# Altium PCB EDR.PcbDoc (part 2 of 2)
Units mm, origin at the board's own origin, x right, y up, seen from the top; angles counter-clockwise.
Board outline 98.58 x 73.91 mm, 2 copper layers (Top Layer, Bottom Layer); 162 components, 102 nets, 583 pads, 56 vias.
Unrouted connection lines stored in the file: 215.
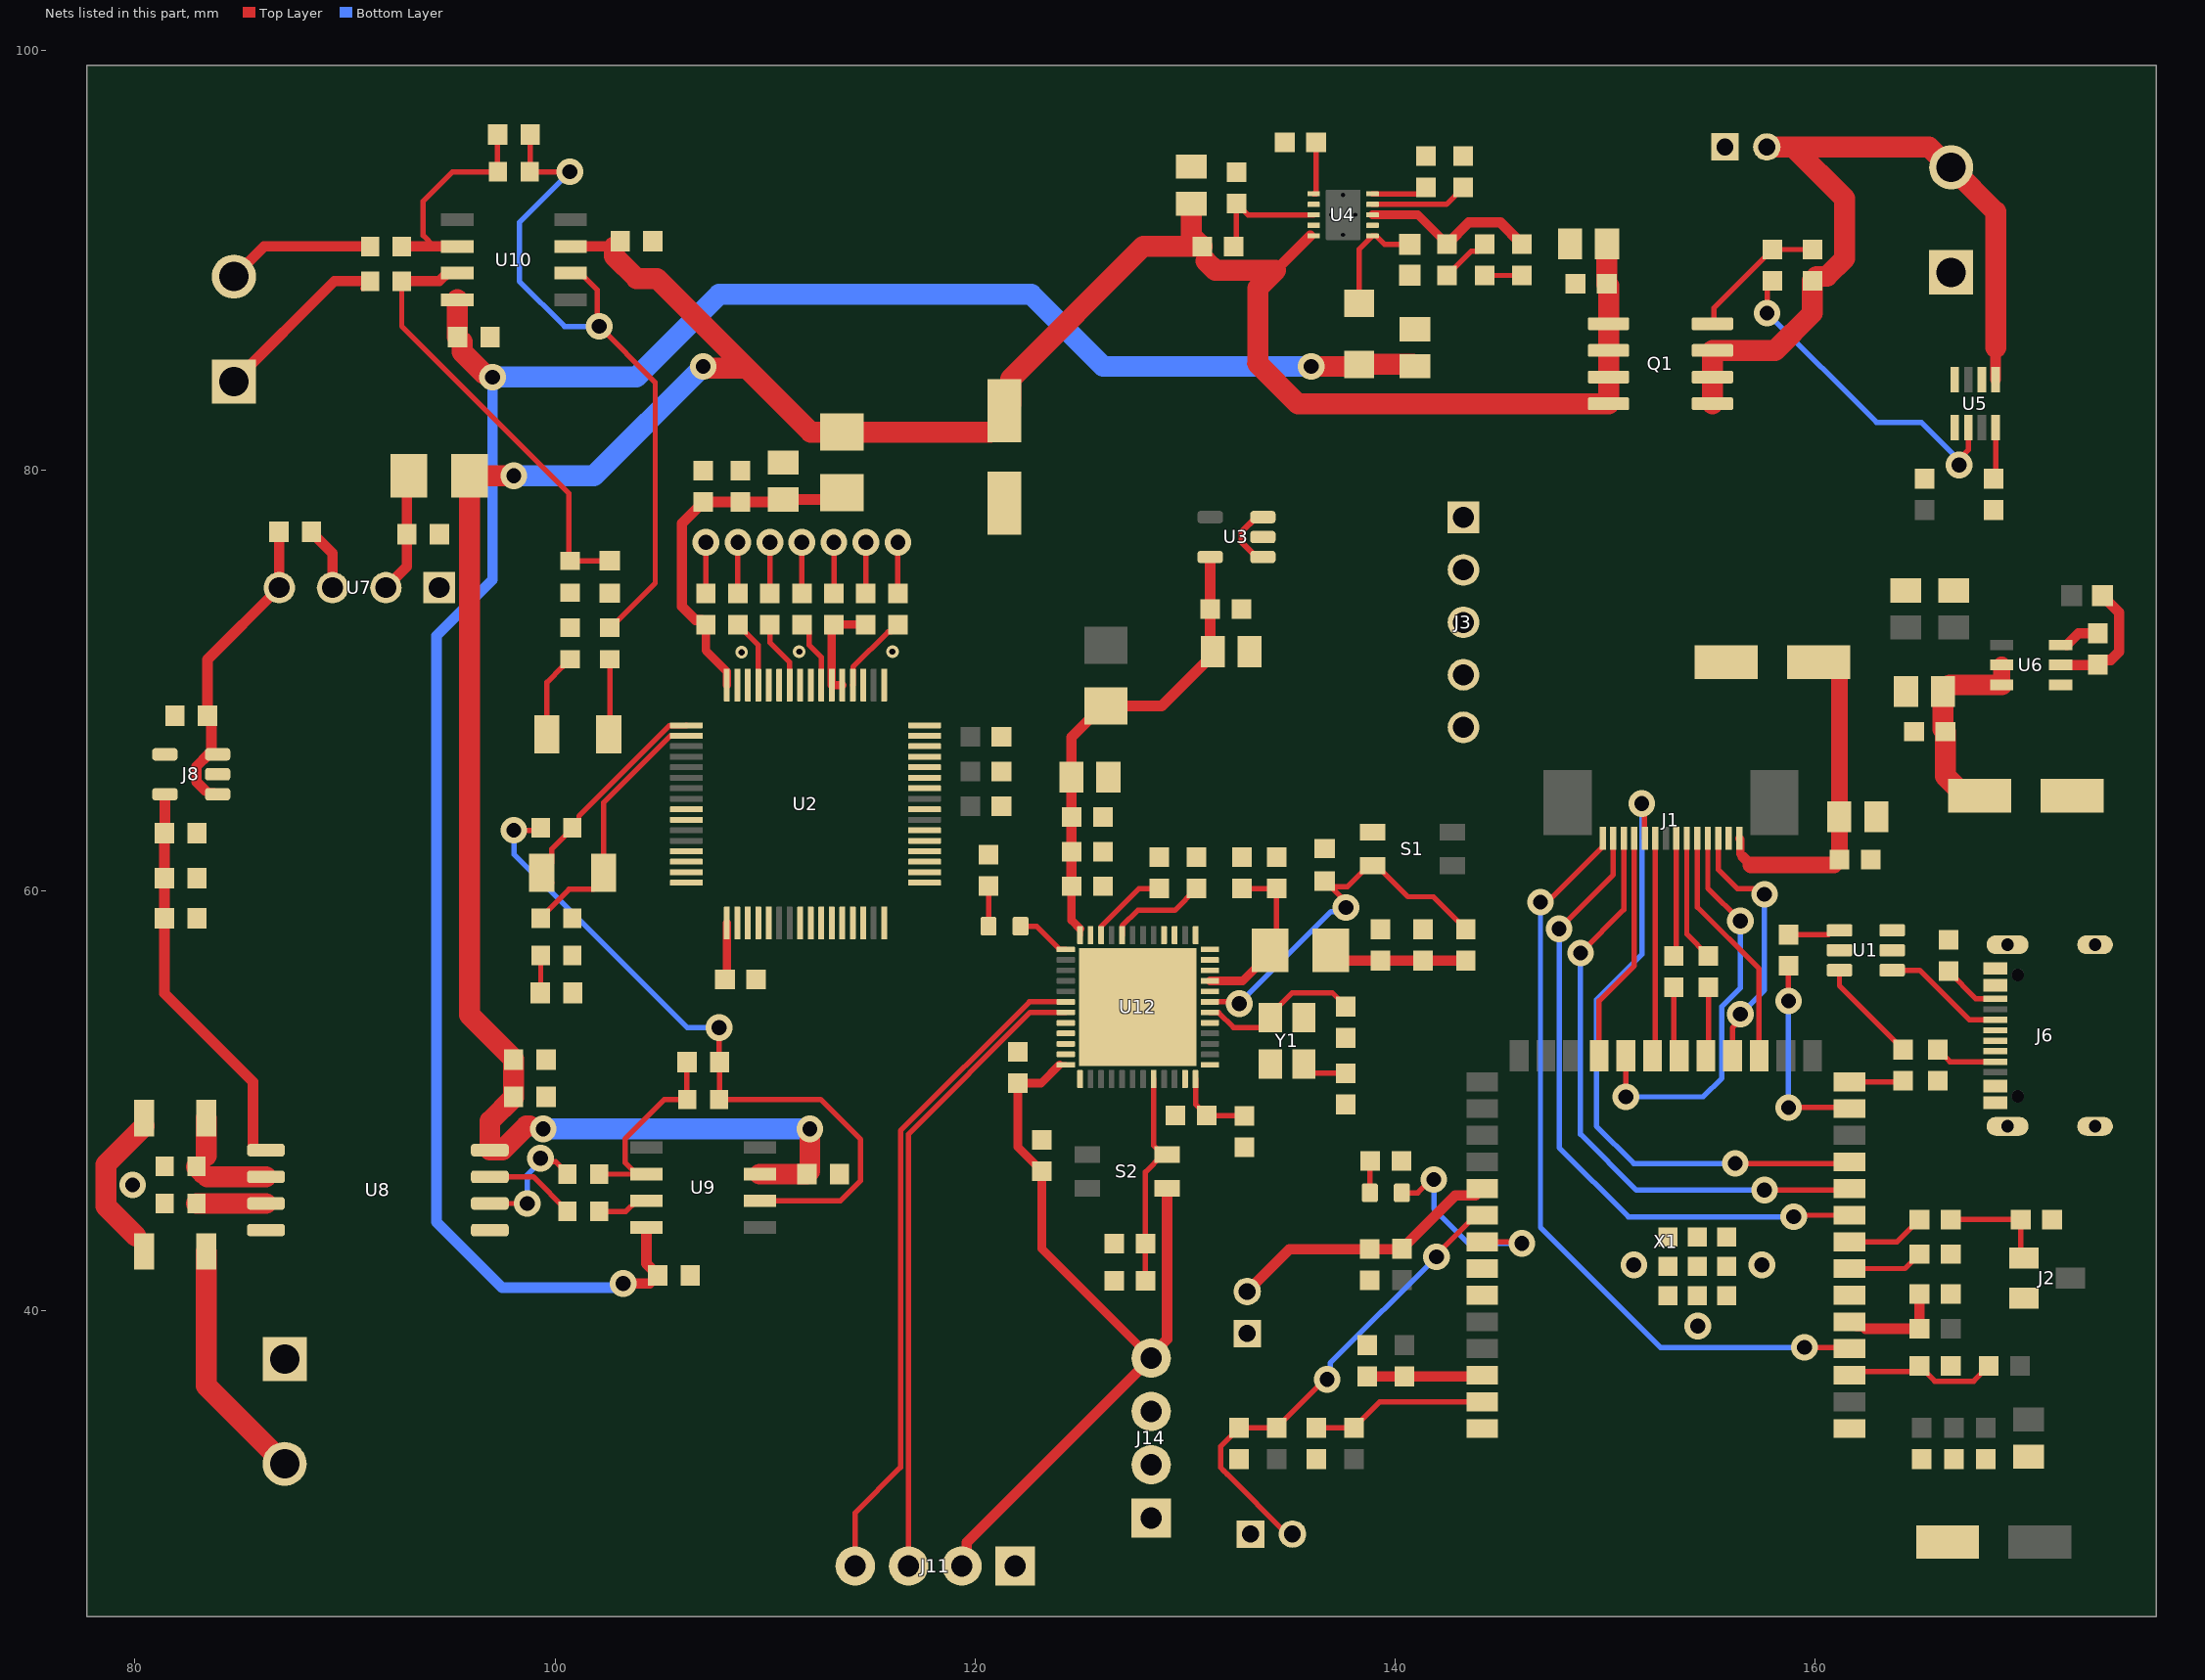
[diagram p2: the nets of this part, all layers, seen from the top]

## Via types
v1: diameter 1.27, hole 0.711, Top Layer to Bottom Layer, 53 vias
v2: diameter 0.6, hole 0.3, Top Layer to Bottom Layer, 3 vias

## Nets (pads, with @x,y where several pads share a name; then routed paths per layer and width w, separated by ;. In a path a pad name is that pad's centre, name@x,y a point inside that pad or via, vN(x,y) a via of type N, cw(c..) or ccw(c..) an arc to the next point about the centre after c; other vN are vias at no path point) (continued)
5V: C29.1 C30.1 C31.1 C32.1 C39.2 C40.2 C41.2 E4.1 U2.1 U2.37 U2.38 U2.48 | length 26.6
  Top Layer w0.254: C31.1@106.845,73.004 C31.1@106.85,73.004 ; C40.2@107.061,78.498 C40.2@107.061,78.503 ; C31.1@107.188,72.661 C31.1@107.188,72.666 ; C32.1@108.094,55.753 C32.1@108.182,55.841 ; C39.2@110.752,78.503 C39.2@110.871,78.622 ; C29.1@113.182,72.559 C29.1@113.284,72.661 ; E4.1@113.341,78.622 E4.1@113.665,78.946 ; C31.1@106.85,73.004 C31.1@107.188,72.666 ; C31.1@106.85,73.004 C31.1@107.188,72.666 ; C31.1@106.85,73.004 C31.1@107.188,72.666
  Top Layer w0.4: C31.1@107.188,72.661 107.188,71.424 108.182,70.43 U2.48@108.182,69.785 ; C32.1@108.182,55.841 U2.1@108.182,58.445 ; C29.1@113.182,72.559 U2.38@113.182,69.785 U2.37@113.682,69.785 ; C29.1@113.284,72.661 C30.1@114.808,72.661
  Top Layer w0.5: C40.2@107.061,78.498 106.045,77.482 106.045,73.533 106.697,72.881 ; C40.2@107.061,78.503 C41.2@108.839,78.503 C39.2@110.752,78.503 ; C31.1@107.188,72.666 C31.1@106.973,72.881 ; C39.2@110.871,78.622 E4.1@113.341,78.622 ; 106.697,72.881 C31.1@106.973,72.881 ; 106.697,72.881 C31.1@106.973,72.881 ; 106.697,72.881 C31.1@106.973,72.881
+5: C1.1 C2.2 C3.1 C38.1 C50.1 C57.2 C58.2 C60.1 C61.2 C62.2 C70.1 C72.1 C73.1 C74.1 E1.1 E4.2 J1.1 Q1.5 Q1.6 Q1.7 Q1.8 R20.1 U3.1 U3.3 U4.5 U6.2 U6.3 U8.8 U9.7 U10.7 | length 180.4
  Top Layer w0.254: C74.1@98.031,50.135 C74.1@98.031,50.165 ; C70.1@98.031,51.943 C70.1@98.031,51.973 ; C72.1@102.83,90.651 102.857,90.678 C72.1@103.111,90.932 ; C73.1@112.001,46.482 C73.1@112.141,46.622 ; C38.1@120.739,81.836 121.412,82.509 C38.1@121.412,82.845 ; 130.302,91.203 130.484,91.021 R20.1@130.484,91.016 ; 133.072,85.09 133.477,85.09 ; U3.3@133.406,77.785 U3.3@133.716,77.785 ; U3.1@133.411,75.885 U3.1@133.716,75.885 ; U4.5@135.972,91.186 U4.5@136.138,91.186 ; C58.2@150.105,88.892 C58.2@150.179,88.818 ; J1.1@156.408,62.484 J1.1@156.42,62.472 ; C1.1@160.188,71.12 C1.1@160.499,71.12 ; C3.1@160.926,61.214 C3.1@161.18,61.468 C3.1@161.172,61.476 ; C1.1@161.172,70.447 C1.1@160.499,71.12 ; C62.2@166.107,67.683 C62.2@166.226,67.564 ; C61.2@166.107,69.469 C61.2@166.427,69.789 ; C60.1@167.153,64.516 C60.1@167.853,64.516 ; C1.1@159.934,71.12 C1.1@160.499,71.12 ; C1.1@159.934,71.12 C1.1@160.499,71.12 ; C1.1@159.934,71.12 C1.1@160.499,71.12
  Top Layer w0.3: U3.3@133.406,77.785 132.715,77.094 132.715,76.581 U3.1@133.411,75.885
  Top Layer w0.4: J1.1@156.42,62.472 156.458,62.434 156.458,61.728 156.587,61.599
  Top Layer w0.5: U10.7@100.744,90.678 C72.1@102.857,90.678 ; v1(107.061,84.963) v1@107.146,84.878 ; 134.321,89.535 U4.5@135.972,91.186 ; 156.587,61.599 156.972,61.214
  Top Layer w0.8: 156.972,61.214 C3.1@160.926,61.214 ; C3.1@161.172,61.476 C2.2@161.172,63.5 C1.1@161.172,70.447 ; U6.3@168.904,69.789 U6.2@168.904,70.739
  Top Layer w1: C74.1@98.031,50.135 96.897,49.001 U8.8@96.897,47.625 97.497,47.625 98.64,48.768 98.806,48.768 ; C74.1@98.031,50.165 C70.1@98.031,51.943 ; C70.1@98.031,51.973 95.933,54.071 E1.1@95.933,79.756 v1(98.04,79.756) ; C72.1@102.83,90.651 102.83,90.21 103.886,89.154 104.859,89.154 109.135,84.878 ; v1@107.146,84.878 109.135,84.878 ; U9.7@109.761,46.482 C73.1@112.001,46.482 ; C73.1@112.141,46.622 v1@112.141,48.387 ; C38.1@120.739,81.836 E4.2@113.665,81.836 112.177,81.836 109.135,84.878 ; C38.1@121.412,82.845 121.712,83.145 121.712,84.374 128.016,90.678 R20.1@130.822,90.678 ; 130.302,91.203 C50.1@130.302,92.719 ; R20.1@130.484,91.016 R20.1@130.822,90.678 ; R20.1@130.827,90.678 R20.1@130.822,90.678 ; 130.999,89.981 131.445,89.535 134.321,89.535 133.477,88.691 133.477,85.09 135.382,83.185 Q1.8@150.179,83.185 Q1.7@150.179,84.455 Q1.6@150.179,85.725 Q1.5@150.179,86.995 C58.2@150.179,88.818 ; C62.2@166.107,67.683 C61.2@166.107,69.469 ; C62.2@166.226,67.564 166.226,65.443 C60.1@167.153,64.516 ; C61.2@166.427,69.789 U6.3@168.904,69.789 ; C58.2@150.105,88.892 C57.2@150.105,90.805 ; C58.2@150.105,88.892 C57.2@150.105,90.805 ; C58.2@150.105,88.892 C57.2@150.105,90.805
  Bottom Layer w1: v1(98.04,79.756) 101.854,79.756 v1(107.061,84.963) ; v1(99.441,48.641) v1(112.141,48.641)
ADC_49: C78.2 R33.2 U2.49 | length 11
  Top Layer w0.254: C78.2@99.836,60.36 C78.2@99.363,60.833 99.836,61.306 99.836,61.967 100.831,62.962 R33.2@100.831,62.992 101.139,63.3 101.139,63.545 105.446,67.852 106.249,67.852 U2.49@106.262,67.865
ADC_50: C78.1 R41.2 U2.50 | length 12.9
  Top Layer w0.254: R41.2@99.49,58.843 R41.2@99.321,58.674 99.321,58.704 100.667,60.05 101.84,60.05 102.313,60.523 C78.1@102.313,60.833 102.313,64.18 105.485,67.352 106.249,67.352 U2.50@106.262,67.365
ADC_57: C77.2 R36.2 U2.57 | length 3.6
  Top Layer w0.254: C77.2@102.567,67.437 102.616,67.486 R36.2@102.616,71.007
ADC_58: C77.1 R38.2 U2.58 | length 4
  Top Layer w0.254: C77.1@99.617,67.437 99.617,69.913 100.373,70.669 100.373,70.699 100.681,71.007 R38.2@100.711,71.007
BOOT0: C26.2 R19.2 S2.3 U12.44 | length 10.1
  Top Layer w0.254: R19.2@128.126,41.402 C26.2@128.126,43.18 128.126,46.581 128.954,47.409 128.511,47.852 U12.44@128.511,51.009
CTP-INT: J1.13 X1.9 | length 30.8
  Top Layer w0.254: v1(147.828,58.166) 150.408,60.746 J1.13@150.408,62.484 ; v1@159.258,44.577 159.311,44.524 X1.9@161.658,44.524
  Bottom Layer w0.254: v1(147.828,58.166) 147.828,47.752 151.13,44.45 v1(159.004,44.45)
CTP-RST: J1.11 X1.23 | length 11.1
  Top Layer w0.254: X1.23@149.733,52.124 149.733,54.737 151.408,56.412 J1.11@151.408,62.484
CTP-SCL: J1.10 X1.11 | length 30.8
  Top Layer w0.254: v1(151.765,64.135) 151.885,64.015 151.885,62.507 J1.10@151.908,62.484 ; v1(156.21,46.99) 161.584,46.99 X1.11@161.658,47.064
  Bottom Layer w0.254: v1(151.765,64.135) 151.765,56.949 149.606,54.79 149.606,48.768 151.384,46.99 v1(156.21,46.99)
CTP-SDA: J1.12 X1.10 | length 28.9
  Top Layer w0.254: v1(148.844,57.023) 150.908,59.087 J1.12@150.908,62.484 ; v1(157.607,45.72) 161.584,45.72 X1.10@161.658,45.794
  Bottom Layer w0.254: v1(148.844,57.023) 148.844,48.387 151.511,45.72 v1(157.607,45.72)
DN2: J6.A7 J6.B7 U1.3
DP2: J6.A6 J6.B6 U1.1 | length 5.9
  Top Layer w0.254: U1.1@163.688,56.2 164.994,56.2 167.358,53.836 J6.B6@168.605,53.836
FB: C51.1 R22.2 R23.1 U4.9 | length 7.1
  Top Layer w0.254: U4.9@138.938,92.686 142.458,92.686 143.256,93.484 R22.2@143.256,93.489 ; R23.1@142.494,89.298 142.494,89.303 143.636,90.445 143.934,90.445 144.272,90.783 C51.1@144.272,90.788
GND: C1.2 C2.1 C3.2 C4.2 C5.2 C6.1 C7.1 C8.1 C9.1 C10.2 C11.2 C12.2 C13.1 C14.1 C15.2 C16.2 C17.2 C18.2 C19.2 C20.1 C21.1 C22.1 C23.1 C24.1 C25.1 C26.1 C27.1 C28.2 C29.2 C30.2 C31.2 C32.2 C33.2 C34.1 C35.1 C36.1 C37.1 C38.2 C39.1 C40.1 C41.1 C42.1 C43.1 C44.1 C45.1 C46.1 C47.1 C48.1 C49.2 C50.2 C52.2 C53.1 C54.1 C55.2 C56.2 C57.1 C58.1 C60.2 C61.1 C62.1 C66.2 C70.2 C72.2 C73.2 C74.2 C75.2 C76.2 C79.1 C80.1 J1.2 J2.2 J3.4 J3.5 J4.1 J5.1 J6.A1_B12 J6.B1_A12 J6.S1 J6.S2 J6.S3 J6.S4 J11.1 J14.1 J15.1 L4.2 R6.1 R13.2 R14.1 R17.2 R18.2 R19.1 R38.1 R39.1 R40.1 R41.1 R44.1 S1.1 U1.2 U2.2 U2.3 U2.4 U2.5 U2.8 U2.16 U2.17 U2.18 U2.19 U2.20 U2.21 U2.22 U2.26 U2.27 U2.28 U2.29 U2.30 U2.31 U2.32 U2.33 U2.35 U2.40 U2.41 U2.43 U2.46 U2.47 U2.61 U2.62 U2.63 U2.64 U3.2 U4.2 U4.7 U5.4 U6.4 U7.1 U8.5 U12.8 U12.23 U12.35 U12.47 U12.49 X1.1 X1.40 X1.41 X1.42 X1.43 X1.44 X1.45 X1.46 X1.47 X1.48 X1.49 Y1.2 Y1.4 | length 17.4
  Top Layer w0.254: R40.1@100.691,74.162 R40.1@100.711,74.182 ; C31.2@107.188,74.151 v1(107.188,76.581) ; C34.1@108.712,74.151 v1(108.712,76.581) ; C35.1@110.236,74.151 v1(110.236,76.581) ; C37.1@111.76,74.151 v1(111.76,76.581) ; C29.2@113.284,74.151 v1(113.284,76.581) ; C30.2@114.808,74.151 v1(114.808,76.581) ; C36.1@116.332,74.151 v1(116.332,76.581) ; U5.4@166.665,84.328 U5.4@166.665,84.734
  other v1: 154.432,39.243 151.384,42.164 157.48,42.164 79.883,45.974
  other v2: 108.892,71.348 111.633,71.374 116.078,71.374
GPIO1: C11.1 J3.2 R8.1 X1.39 | length 8.4
  Top Layer w0.254: C11.1@136.271,34.4 R8.1@138.049,34.4 138.049,34.405 138.387,34.743 138.392,34.743 139.283,35.634 X1.39@144.158,35.634
GPIO2: C12.1 J3.3 R9.1 X1.38 | length 5.5
  Top Layer w0.254: X1.38@144.101,36.847 X1.38@144.158,36.904
  Top Layer w0.5: C12.1@138.684,36.847 R9.1@140.462,36.847 X1.38@144.101,36.847
GPIO5: C10.1 J3.1 R7.1 X1.5 | length 5.1
  Top Layer w0.254: X1.5@161.658,39.444 161.981,39.121 162.425,39.121 162.43,39.116
  Top Layer w0.5: 162.43,39.116 R7.1@164.99,39.116 C10.1@164.99,40.767
GPIO19: R15.1 X1.13 | length 9.7
  Top Layer w0.254: v1(158.75,49.657) 161.605,49.657 X1.13@161.658,49.604 ; v1(158.75,54.737) R15.1@158.75,56.405
  Bottom Layer w0.254: v1(158.75,49.657) v1(158.75,54.737)
GPIO20: R12.1 X1.14 | length 2.2
  Top Layer w0.254: X1.14@161.658,50.874 R12.1@163.9,50.874
GPIO38: C14.2 J5.2 R11.2 X1.31 | length 13.2
  Top Layer w0.254: R11.2@140.318,42.909 R11.2@140.335,42.926 140.335,42.931 140.673,43.269 R11.2@140.678,43.269 ; X1.31@143.835,45.471 X1.31@144.158,45.794
  Top Layer w0.5: J5.2@132.969,40.894 134.984,42.909 C14.2@138.811,42.909 R11.2@140.318,42.909 ; R11.2@140.678,43.269 142.88,45.471 X1.31@143.835,45.471
GPIO39: C13.2 J4.2 R10.2 X1.32 | length 23.2
  Top Layer w0.254: J4.2@135.128,29.337 134.874,29.337 132.025,32.186 132.018,32.186 131.869,32.335 131.869,32.342 131.699,32.512 131.699,33.506 132.588,34.395 C13.2@132.588,34.4 R10.2@134.366,34.4 134.366,34.405 134.704,34.743 134.709,34.743 136.669,36.703 v1(136.779,36.703) ; v1(141.986,42.545) 141.986,42.652 143.858,44.524 X1.32@144.158,44.524
  Bottom Layer w0.254: v1(136.779,36.703) 136.926,36.85 136.926,37.485 v1(141.986,42.545)
GPIO41: R24.2 X1.34
GPIO42: R26.2 U5.5 X1.35
ISO_GND: C63.1 C64.2 C65.1 C69.1 C71.1 J8.2 J8.4 J10.1 R32.1 R37.2 U7.3 U8.4 | length 3.1
  Top Layer w0.254: C64.2@88.405,77.059 C64.2@88.405,77.089
  Top Layer w0.5: C64.2@88.405,77.059 89.408,76.056 U7.3@89.408,74.422
LCD-CS: J1.3 X1.18 | length 12.5
  Top Layer w0.254: J1.3@155.408,62.484 155.408,61 156.317,60.091 157.058,60.091 157.332,59.817 v1(157.607,59.817) ; X1.18@156.083,52.124 156.083,53.446 156.464,53.827 v1(156.464,54.102)
  Bottom Layer w0.254: v1(156.464,54.102) 157.607,55.245 v1(157.607,59.817)
LCD-RS: J1.5 X1.17 | length 11.6
  Top Layer w0.254: J1.5@154.408,62.484 154.408,59.206 157.353,56.261 X1.17@157.353,52.124
LCD-RST: J1.4 X1.22 | length 19.3
  Top Layer w0.254: v1(151.003,50.165) X1.22@151.003,52.124 ; J1.4@154.908,62.484 154.908,60.103 v1(156.464,58.547)
  Bottom Layer w0.254: v1(151.003,50.165) 154.686,50.165 155.575,51.054 155.575,54.47 156.464,55.359 v1(156.464,58.547)
MISD: J1.9 X1.21 | length 10.4
  Top Layer w0.254: X1.21@152.273,52.124 152.408,52.259 J1.9@152.408,62.484
MOSI: J1.6 R3.1 | length 6
  Top Layer w0.254: J1.6@153.908,62.484 153.908,57.916 154.94,56.884 R3.1@154.94,56.879
NetC4_1: C4.1 R1.1 X1.3 | length 7.4
  Top Layer w0.254: X1.3@161.658,36.904 161.838,37.084 164.736,37.084 C4.1@164.99,37.338 164.995,37.338 165.714,36.619 167.568,36.619 168.287,37.338 R1.1@168.292,37.338
NetC19_1: C19.1 U12.22 | length 3.9
  Top Layer w0.254: U12.22@126.011,57.869 126.019,57.877 126.019,58.286 127.821,60.088 C19.1@128.778,60.088
NetC20_2: C20.2 C21.2 E2.1 U12.9 | length 8.3
  Top Layer w0.254: C20.2@132.715,60.088 C21.2@134.366,60.088 134.366,57.452 E2.1@134.064,57.15 E2.1@134.064,57
  Top Layer w0.4: U12.9@131.191,55.689 132.753,55.689 E2.1@134.064,57
NetC24_2: C24.2 R16.1 S1.3 U12.7 | length 17.8
  Top Layer w0.254: U12.7@131.191,54.689 132.128,54.689 v1@132.207,54.61 ; C24.2@136.652,60.439 136.682,60.439 C24.2@136.936,60.185 ; v1(137.668,59.182) 137.668,59.453 C24.2@136.936,60.185 ; R16.1@143.383,58.149 143.383,58.154 141.839,59.697 140.622,59.697 139.143,61.176 S1.3@138.943,61.176 138.743,61.176 137.752,60.185 C24.2@136.936,60.185
  Bottom Layer w0.254: v1(132.588,54.61) 136.966,58.988 137.474,58.988 v1(137.668,59.182)
NetC25_2: C25.2 U12.5 Y1.1 | length 2.2
  Top Layer w0.254: Y1.1@135.674,51.732 135.674,51.714 136.097,51.291 C25.2@137.668,51.291
NetC27_2: C27.2 U12.6 Y1.3 | length 7.8
  Top Layer w0.254: U12.6@131.191,54.189 131.199,54.181 131.608,54.181 132.322,53.467 133.651,53.467 134.074,53.89 Y1.3@134.074,53.932 134.074,54.082 135.11,55.118 137.021,55.118 137.668,54.471 C27.2@137.668,54.466
NetC34_2: C34.2 U2.44 U2.45 | length 3.3
  Top Layer w0.254: C34.2@108.712,72.661 108.712,72.656 109.682,71.686 U2.45@109.682,69.785
NetC35_2: C35.2 U2.42 | length 3.3
  Top Layer w0.254: C35.2@110.236,72.661 110.236,71.81 111.169,70.877 111.169,69.798 U2.42@111.182,69.785
NetC36_2: C36.2 U2.36 | length 3.8
  Top Layer w0.254: U2.36@114.182,69.785 114.195,69.798 114.195,70.65 115.863,72.318 115.994,72.318 C36.2@116.332,72.656
NetC37_2: C37.2 U2.39 | length 3.3
  Top Layer w0.254: C37.2@111.76,72.661 112.098,72.323 112.098,71.692 112.682,71.108 U2.39@112.682,69.785
NetC51_2: C51.2 R21.1 | length 1.8
  Top Layer w0.254: C51.2@144.272,89.298 R21.1@146.05,89.298
NetC52_1: C52.1 U4.1 | length 2.6
  Top Layer w0.254: U4.1@136.138,93.186 136.247,93.186 136.254,93.193 C52.1@136.254,95.631
NetC53_2: C53.2 R22.1 U4.10 | length 2.7
  Top Layer w0.254: U4.10@138.938,93.186 141.175,93.186 C53.2@141.478,93.489
NetC59_2: C59.2 U6.6 | length 2
  Top Layer w0.254: U6.6@171.71,71.689 U6.6@172.009,71.689
  Top Layer w0.5: U6.6@172.009,71.689 172.566,72.246 C59.2@173.482,72.246
NetC66_1: C66.1 E1.2 U7.2 | length 5.8
  Top Layer w0.254: E1.2@92.951,79.664 E1.2@93.043,79.756
  Top Layer w0.5: U7.2@91.948,74.422 92.951,75.425 C66.1@92.951,76.962 E1.2@92.951,79.664
NetC67_1: C67.1 R28.1 R31.2 U10.2 | length 10.5
  Top Layer w0.254: 94.252,90.678 93.726,91.204 93.726,92.837 95.123,94.234 R28.1@97.289,94.234 97.269,94.254 C67.1@97.269,96.012
  Top Layer w0.5: 93.16,90.678 94.252,90.678 U10.2@95.344,90.678
NetC67_2: C67.2 R28.2 R36.1 U10.6 | length 42.2
  Top Layer w0.254: C67.2@98.819,96.012 98.819,94.254 R28.2@98.799,94.234 v1(100.711,94.234) ; U10.6@100.744,89.408 101.219,89.408 102.019,88.608 v1@102.019,86.957 ; R36.1@102.616,72.517 102.646,72.517 104.775,74.646 104.775,84.201 ; v1@102.019,86.957 104.775,84.201 ; v1@102.019,86.957 104.775,84.201 ; v1@102.019,86.957 104.775,84.201
  Bottom Layer w0.254: v1(100.711,94.234) 98.298,91.821 98.298,89.027 100.457,86.868 v1(102.108,86.868)
NetC68_1: C68.1 R29.1 R30.2 U9.2 | length 9.7
  Top Layer w0.254: R30.2@102.108,46.482 U9.2@103.886,46.482 ; U9.2@104.361,46.482 U9.2@103.886,46.482 ; C68.1@106.286,51.816 106.286,50.058 R29.1@106.306,50.038 105.213,50.038 103.332,48.157 103.332,47.036 U9.2@103.886,46.482
NetC68_2: C68.2 R29.2 R33.1 U9.6 | length 33.8
  Top Layer w0.254: v1(98.044,62.865) 99.194,62.865 R33.1@99.321,62.992 ; v1(107.823,53.467) 107.823,51.829 C68.2@107.836,51.816 107.836,50.058 R29.2@107.816,50.038 112.649,50.038 114.554,48.133 114.554,46.176 113.59,45.212 U9.6@109.761,45.212
  Bottom Layer w0.254: v1(98.044,62.865) 98.044,61.722 106.299,53.467 v1(107.823,53.467)
NetC79_2: C79.2 R34.2 R39.2 U9.3 | length 4.3
  Top Layer w0.254: C79.2@99.301,55.118 99.321,55.138 R39.2@99.321,56.896 ; R34.2@102.101,44.704 103.378,44.704 103.886,45.212 U9.3@104.361,45.212
NetC80_2: C80.2 R35.2 R40.2 U10.3 | length 25.3
  Top Layer w0.254: R35.2@92.703,89.027 92.703,86.875 100.668,78.91 R40.2@100.668,75.705 ; U10.3@94.869,89.408 U10.3@95.344,89.408 ; R40.2@100.668,75.705 C80.2@102.616,75.705 ; R40.2@100.668,75.705 C80.2@102.616,75.705 ; R40.2@100.668,75.705 C80.2@102.616,75.705
  Top Layer w0.5: R35.2@92.703,89.027 94.488,89.027 U10.3@94.869,89.408
NetD1_C: D1.C L4.1 U4.6 | length 5.4
  Top Layer w0.254: D1.C@138.303,87.96 138.303,90.551 U4.6@138.938,91.186 139.104,91.186 139.512,90.778 L4.1@140.716,90.778
NetD2_NEG: D2.NEG R44.2 | length 1.5
  Top Layer w0.254: D2.NEG@138.811,45.593 138.811,47.1 R44.2@138.828,47.117
NetD2_POS: D2.POS X1.33 | length 11.5
  Top Layer w0.254: D2.POS@140.335,45.593 141.097,45.593 ; X1.33@144.158,43.254 145.595,43.254 v1@145.669,43.18 ; 141.097,45.593 v1@141.796,46.291 ; 141.097,45.593 v1@141.796,46.291 ; 141.097,45.593 v1@141.796,46.291
  Bottom Layer w0.254: v1(141.859,46.228) 141.859,44.831 143.51,43.18 v1(146.05,43.18)
NetD_NEG: D.NEG R18.1 | length 1.9
  Top Layer w0.254: D.NEG@120.65,58.293 R18.1@120.65,60.215
NetD_POS: D.POS U12.25 | length 2.6
  Top Layer w0.254: D.POS@122.174,58.293 122.936,58.293 124.023,57.206 124.023,57.197 124.031,57.189 U12.25@124.331,57.189
NetJ2_1: J2.1 R5.1 R6.2 | length 5.2
  Top Layer w0.254: R5.1@166.48,44.323 R6.2@169.816,44.323 169.816,42.632 J2.1@169.969,42.479
NetJ6_A5: J6.A5 R13.1 | length 3
  Top Layer w0.254: R13.1@165.862,52.417 165.862,52.412 166.2,52.074 166.205,52.074 166.443,51.836 J6.A5@168.605,51.836
NetJ6_B5: J6.B5 R14.2 | length 2.8
  Top Layer w0.254: R14.2@166.37,56.151 166.37,56.146 167.68,54.836 J6.B5@168.605,54.836
NetJ9_1: J9.1 R35.1 | length 9
  Top Layer w0.254: R35.1@90.855,88.689 90.885,88.689 91.193,88.997 R35.1@91.193,89.027
  Top Layer w0.5: J9.1@84.709,84.241 89.495,89.027 R35.1@91.193,89.027
NetJ9_2: J9.2 R31.1 | length 7.6
  Top Layer w0.254: J9.2@84.709,89.241 J9.2@85.06,88.89 ; R31.1@91.193,90.678 R31.1@91.193,90.708
  Top Layer w0.5: J9.2@84.709,89.241 86.146,90.678 R31.1@91.193,90.678
NetJ10_2: J10.2 R43.1 | length 11.7
  Top Layer w1: R43.1@83.395,42.799 83.395,36.406 J10.2@87.122,32.679
NetJ11_3: J11.3 U12.31 | length 30.5
  Top Layer w0.254: J11.3@116.84,27.813 116.84,48.394 122.635,54.189 U12.31@124.331,54.189
NetJ11_4: J11.4 U12.30 | length 32
  Top Layer w0.254: J11.4@114.3,27.813 114.3,30.353 116.459,32.512 116.459,48.552 122.596,54.689 U12.30@124.331,54.689
NetJ16_1: J16.1 U5.2
NetQ1_4: Q1.4 R25.2 R27.1 | length 6.6
  Top Layer w0.254: Q1.4@155.129,86.995 155.194,87.06 155.194,87.74 157.645,90.191 157.65,90.191 157.988,90.529 R25.2@157.988,90.534 R27.1@159.893,90.534
NetR2_2: R2.2 X1.7 | length 3.6
  Top Layer w0.254: X1.7@161.658,41.984 164.297,41.984 164.985,42.672 R2.2@164.99,42.672
NetR3_2: R3.2 X1.19 | length 3.3
  Top Layer w0.254: X1.19@154.813,52.124 154.94,52.251 R3.2@154.94,55.389
NetR4_2: R4.2 X1.20 | length 3.4
  Top Layer w0.254: R4.2@153.289,55.389 153.289,52.378 X1.20@153.543,52.124
NetR5_2: R5.2 X1.8 | length 3.8
  Top Layer w0.254: X1.8@161.658,43.254 163.916,43.254 164.985,44.323 R5.2@164.99,44.323
NetR12_2: R12.2 U1.6 | length 5
  Top Layer w0.254: U1.6@161.178,56.2 161.178,55.455 164.211,52.422 R12.2@164.211,52.417
NetR15_2: R15.2 U1.4 | length 2.5
  Top Layer w0.254: R15.2@158.75,57.895 160.663,57.895 160.868,58.1 U1.4@161.178,58.1
NetR17_1: R17.1 U12.20 | length 4.7
  Top Layer w0.254: U12.20@127.011,57.869 127.019,57.877 127.019,58.312 127.762,59.055 129.528,59.055 130.556,60.083 R17.1@130.556,60.088
NetR24_1: R24.1 U5.8 | length 2.5
  Top Layer w0.254: R24.1@168.529,79.612 168.615,79.698 U5.8@168.615,82.042
NetR25_1: R25.1 U5.6 | length 15.9
  Top Layer w0.254: v1(157.734,87.503) 157.734,88.79 R25.1@157.988,89.044 ; v1(166.878,80.264) 166.878,80.539 167.315,80.976 U5.6@167.315,82.042
  Bottom Layer w0.254: v1(157.734,87.503) 162.941,82.296 165.078,82.296 166.878,80.496 v1(166.878,80.264)
NetR30_1: R30.1 U8.6 | length 5.6
  Top Layer w0.254: U8.6@96.897,45.085 v1@98.425,45.085 ; v1(99.314,47.244) 99.475,47.083 100.027,47.083 100.598,46.512 R30.1@100.598,46.482
  Bottom Layer w0.254: v1(98.679,45.085) 98.679,46.442 99.314,47.077 v1(99.314,47.244)
NetR32_2: R32.2 U8.3 | length 3.3
  Top Layer w1: R32.2@82.924,45.085 U8.3@86.237,45.085
NetR34_1: R34.1 U8.7 | length 4.4
  Top Layer w0.254: U8.7@96.897,46.355 98.97,46.355 100.591,44.734 R34.1@100.591,44.704
NetR37_1: R37.1 R42.2 U8.2 | length 6
  Top Layer w0.254: R37.1@82.924,46.833 R37.1@82.924,46.863 82.924,46.893 83.395,47.364 ; R37.1@83.232,46.525 83.262,46.525 83.432,46.355
  Top Layer w1: R37.1@82.924,46.833 R37.1@83.232,46.525 ; 83.395,47.364 R42.2@83.395,49.149 ; 83.432,46.355 U8.2@86.237,46.355
NetR42_1: R42.1 R43.2 | length 7.9
  Top Layer w0.254: R43.2@80.034,43.537 80.077,43.537 80.435,43.179 R43.2@80.435,42.799 ; R42.1@80.435,48.769 R42.1@80.435,49.149
  Top Layer w1: R43.2@80.034,43.537 78.613,44.958 78.613,46.947 R42.1@80.435,48.769
PA9: U12.32 X1.6
PA10: R2.1 U12.33
SCK: J1.7 R4.1 | length 5.7
  Top Layer w0.254: R4.1@153.289,56.879 153.408,56.998 J1.7@153.408,62.484
SD-CS: J1.14 X1.4 | length 37.1
  Top Layer w0.254: v1(146.939,59.436) 147.133,59.63 147.454,59.63 149.885,62.061 149.908,62.084 J1.14@149.908,62.484 ; v1(159.512,38.227) 161.605,38.227 X1.4@161.658,38.174
  Bottom Layer w0.254: v1(146.939,59.436) 146.939,43.942 152.654,38.227 v1(159.512,38.227)
"STEM32 3.3V": C15.1 C16.1 C17.1 C18.1 C22.2 C23.2 C28.1 C42.2 C43.2 C44.2 C45.2 C46.2 E2.2 E3.2 J11.2 J14.4 R16.2 S2.1 U3.5 U12.1 U12.24 U12.36 U12.48 | length 78
  Top Layer w0.254: J11.2@119.38,27.813 J11.2@119.615,28.048 ; C28.1@123.19,46.626 C28.1@123.19,46.631 ; U12.36@124.031,51.689 U12.36@124.331,51.689 ; C45.2@124.596,63.508 C45.2@124.604,63.5 ; U12.24@125.011,57.869 U12.24@125.011,58.169 ; E3.2@126.088,68.786 E3.2@126.238,68.786 ; J14.4@128.397,37.719 J14.4@128.397,37.862 ; U12.48@130.511,51.009 130.511,49.807 131.042,49.276 C17.1@131.047,49.276 132.825,49.276 C18.1@132.842,49.259 ; C43.2@131.206,73.408 C43.2@131.208,73.406 ; E2.2@136.954,57.15 E2.2@137.445,56.659
  Top Layer w0.4: C28.1@123.19,46.626 123.19,42.926 J14.4@128.397,37.719 ; C28.1@123.19,46.631 122.047,47.774 C15.1@122.047,50.817 123.159,50.817 U12.36@124.031,51.689 ; C16.1@124.604,60.198 124.604,58.576 U12.24@125.011,58.169
  Top Layer w0.5: J11.2@119.615,28.048 119.615,28.937 J14.4@128.397,37.719 ; C45.2@124.596,63.508 C44.2@124.596,65.405 124.596,67.294 E3.2@126.088,68.786 ; C16.1@124.604,60.198 C46.2@124.604,61.849 C45.2@124.604,63.5 ; E3.2@126.238,68.786 128.899,68.786 C42.2@131.208,71.095 ; J14.4@128.397,37.862 129.154,38.619 S2.1@129.154,45.809 ; C43.2@131.206,73.408 U3.5@131.206,75.885 ; E2.2@137.445,56.659 C23.2@139.319,56.659 C22.2@141.351,56.659 R16.2@143.383,56.659 ; C42.2@131.208,71.095 C43.2@131.208,73.406 ; C42.2@131.208,71.095 C43.2@131.208,73.406 ; C42.2@131.208,71.095 C43.2@131.208,73.406
STEM32_A0: U2.9 U2.10 U12.10
STEM32_A1: U2.14 U12.11
STEM32_A2: U2.13 U12.12
STEM32_A3: U2.11 U12.13
STEM32_A5: U2.12 U12.15
STEM32_A6: U2.24 U12.16
SW: C59.1 L5.2 U6.5 | length 9.6
  Top Layer w0.254: L5.2@173.709,74.031 L5.2@173.709,74.041
  Top Layer w0.5: C59.1@173.482,70.756 173.482,70.761 173.697,70.976 174.1,70.976 174.498,71.374 174.498,73.242 L5.2@173.709,74.031 ; U6.5@171.71,70.739 C59.1@173.482,70.739 ; U6.5@171.71,70.739 C59.1@173.482,70.739 ; U6.5@171.71,70.739 C59.1@173.482,70.739
SWCLK: J14.2 U12.37
SWDIO: J14.3 U12.34
V0_EN: C63.2 C64.1 J8.1 J8.3 U7.4 | length 19.5
  Top Layer w0.254: J8.1@83.373,64.737 83.777,64.737 J8.1@83.932,64.582 ; C63.2@83.452,68.326 C63.2@83.633,68.145 ; C64.1@86.855,77.089 C64.1@86.868,77.076
  Top Layer w0.5: J8.1@83.373,64.737 82.931,65.18 82.931,65.913 J8.3@83.5,66.482 ; C63.2@83.452,68.326 83.452,71.006 U7.4@86.868,74.422 C64.1@86.868,77.076 ; J8.3@83.5,66.482 J8.3@83.932,66.482 ; J8.3@83.5,66.482 J8.3@83.932,66.482 ; J8.3@83.5,66.482 J8.3@83.932,66.482 ; J8.3@83.633,66.482 C63.2@83.633,68.145 ; J8.3@83.633,66.482 C63.2@83.633,68.145 ; J8.3@83.633,66.482 C63.2@83.633,68.145
VBUS: J6.A4_B9 J6.B4_A9 U1.5
VCC: J15.2 J16.2 Q1.1 Q1.2 Q1.3 R27.2 U5.1 | length 38.1
  Top Layer w0.254: R27.2@159.893,89.044 R27.2@160.1,89.251 ; J15.2@166.415,94.448 J15.2@166.497,94.448
  Top Layer w0.5: U5.1@168.615,84.328 168.615,85.852
  Top Layer w1: Q1.1@155.129,83.185 Q1.2@155.129,84.455 Q1.3@155.129,85.725 158.115,85.725 159.893,87.503 R27.2@159.893,89.044 ; J16.2@157.718,95.419 158.962,95.419 ; R27.2@160.1,89.251 160.575,89.251 161.417,90.093 161.417,92.964 158.962,95.419 ; J15.2@166.415,94.448 165.444,95.419 158.962,95.419 ; J15.2@166.497,94.448 168.615,92.33 168.615,85.852
VDD1_5: C65.2 C69.2 C71.2 J8.5 U8.1 | length 19.2
  Top Layer w0.254: C65.2@81.394,62.738 C65.2@81.422,62.766 ; U8.1@85.614,47.796 85.785,47.625 U8.1@86.237,47.625
  Top Layer w0.5: C65.2@81.394,62.738 C71.2@81.394,60.579 C69.2@81.394,58.674 81.394,55.096 85.614,50.876 U8.1@85.614,47.796 ; C65.2@81.422,62.766 J8.5@81.422,64.582
VIN: C49.1 R20.2 U4.3 U4.4 | length 6
  Top Layer w0.254: R20.2@132.317,90.678 132.461,90.822 C49.1@132.461,92.722 ; C49.1@132.461,92.727 C49.1@132.461,92.722 ; U4.3@136.138,92.186 133.002,92.186 132.804,92.384 132.799,92.384 C49.1@132.461,92.722
VOUT: C54.2 C75.1 C76.1 D1.A R21.2 R23.2 U4.8 U9.4 U10.4 | length 116.2
  Top Layer w0.254: C76.1@95.344,86.38 C76.1@95.364,86.36 ; C75.1@104.508,41.275 104.526,41.293 104.556,41.293 104.889,41.626 C75.1@104.889,41.656 C75.1@104.889,41.686 ; D1.A@138.201,84.963 D1.A@138.303,85.065 ; C54.2@140.877,85.065 C54.2@140.97,84.972 ; C54.2@140.877,85.319 C54.2@140.97,85.226 ; R23.2@142.494,90.788 R23.2@142.494,90.793 ; R21.2@146.05,90.788 R21.2@146.05,90.793
  Top Layer w0.4: U4.8@138.938,92.186 141.101,92.186 R23.2@142.494,90.793
  Top Layer w0.5: C76.1@95.364,86.36 C76.1@95.574,86.15 ; v1@96.627,84.602 96.881,84.602 v1(97.028,84.455) ; v1(103.251,41.275) C75.1@104.508,41.275 ; U9.4@104.361,43.942 104.361,42.214 C75.1@104.889,41.686 ; R23.2@142.494,90.793 143.522,91.821 145.022,91.821 R21.2@146.05,90.793
  Top Layer w1: C76.1@95.344,86.38 U10.4@95.344,88.138 ; C76.1@95.574,86.15 95.574,85.655 v1@96.627,84.602 ; v1(136.017,84.963) D1.A@138.201,84.963 ; D1.A@138.303,85.065 C54.2@140.877,85.065
  Bottom Layer w0.254: v1@103.057,41.081 v1(103.251,41.275)
  Bottom Layer w0.5: v1(97.028,84.455) 97.028,74.803 94.361,72.136 94.361,44.196 97.476,41.081 v1@103.057,41.081
  Bottom Layer w1: v1(97.028,84.455) 103.886,84.455 107.823,88.392 122.682,88.392 126.111,84.963 v1(136.017,84.963)
pads on no net: J1.P1 J1.P2 J6. J6.A8 J6.B8 S1.2 S1.4 S2.2 S2.4 U2.15 U2.25 U2.51 U2.52 U2.53 U2.54 U2.55 U2.56 U2.59 U2.60 U3.4 U4.11 U4.12 U4.13 U4.14 U4.15 U5.3 U5.7 U9.1 U9.5 U9.8 U10.1 U10.5 U10.8 U12.2 U12.3 U12.4 U12.14 U12.17 U12.18 U12.19 U12.21 U12.26 U12.27 U12.28 U12.29 U12.38 U12.39 U12.40 U12.41 U12.42 U12.43 U12.45 U12.46 X1.12 X1.15 X1.16 X1.24 X1.25 X1.26 X1.27 X1.28 X1.29 X1.30 X1.36 X1.37

## Silkscreen, mask and mechanical layers (free items; w line width, h text height)
Top Overlay:
  text "RESET" at 143.884,63.126 h0.6 r270
  text "BOOT" at 127.12,44.316 h0.6
  text "3v3" at 125.088,37.458 h0.6
  text "SWDIO" at 123.698,34.798 h0.6
  text "SWCLK" at 123.691,32.251 h0.6
  text "GND" at 122.435,29.711 h0.6 r90
  text "GND" at 124.707,29.711 h0.6
  text "TX" at 115.45,29.584 h0.6 r90
  text "RX" at 117.99,29.584 h0.6 r90
  text "3v3" at 120.149,29.584 h0.6 r90
  text "USART" at 108.204,26.797 h1
  text "SW" at 127.635,26.797 h1